# Altium PCB L4N-24VDimmer.PcbDoc (part 1 of 2)
Units mm, origin at the board's own origin, x right, y up, seen from the top; angles counter-clockwise.
Board outline 87 x 52 mm, 2 copper layers (Top, Bottom Layer), stack 1.32 mm thick; 77 components, 64 nets, 298 pads, 225 vias.
Unrouted connection lines stored in the file: 10.
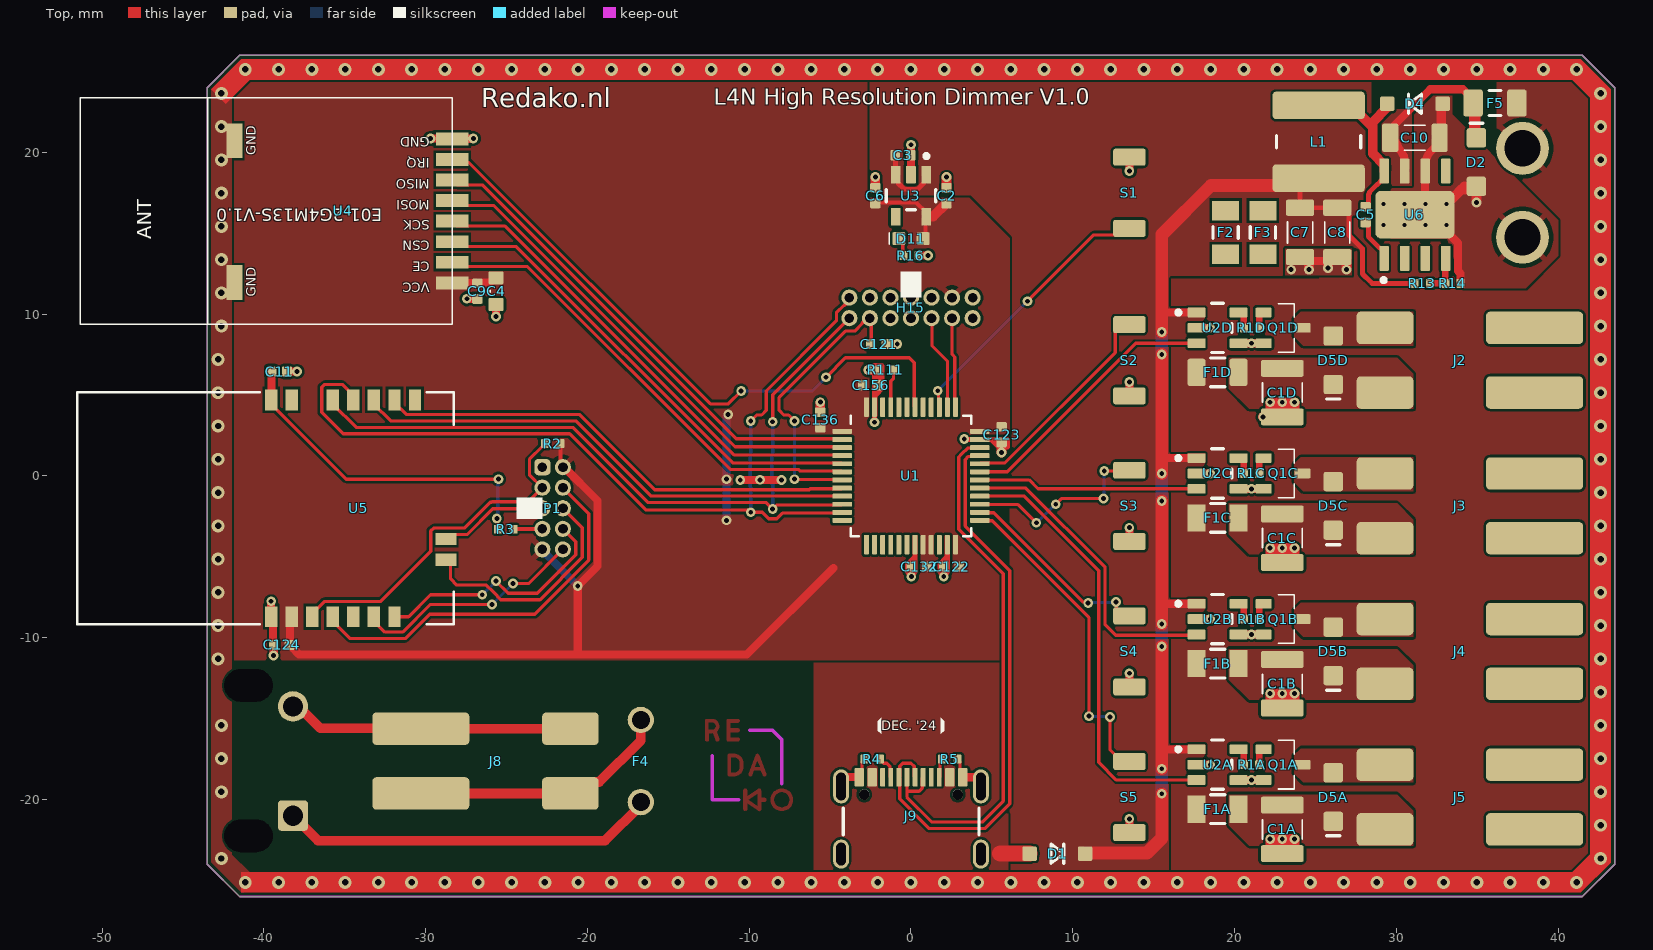
[diagram p0: Top view]
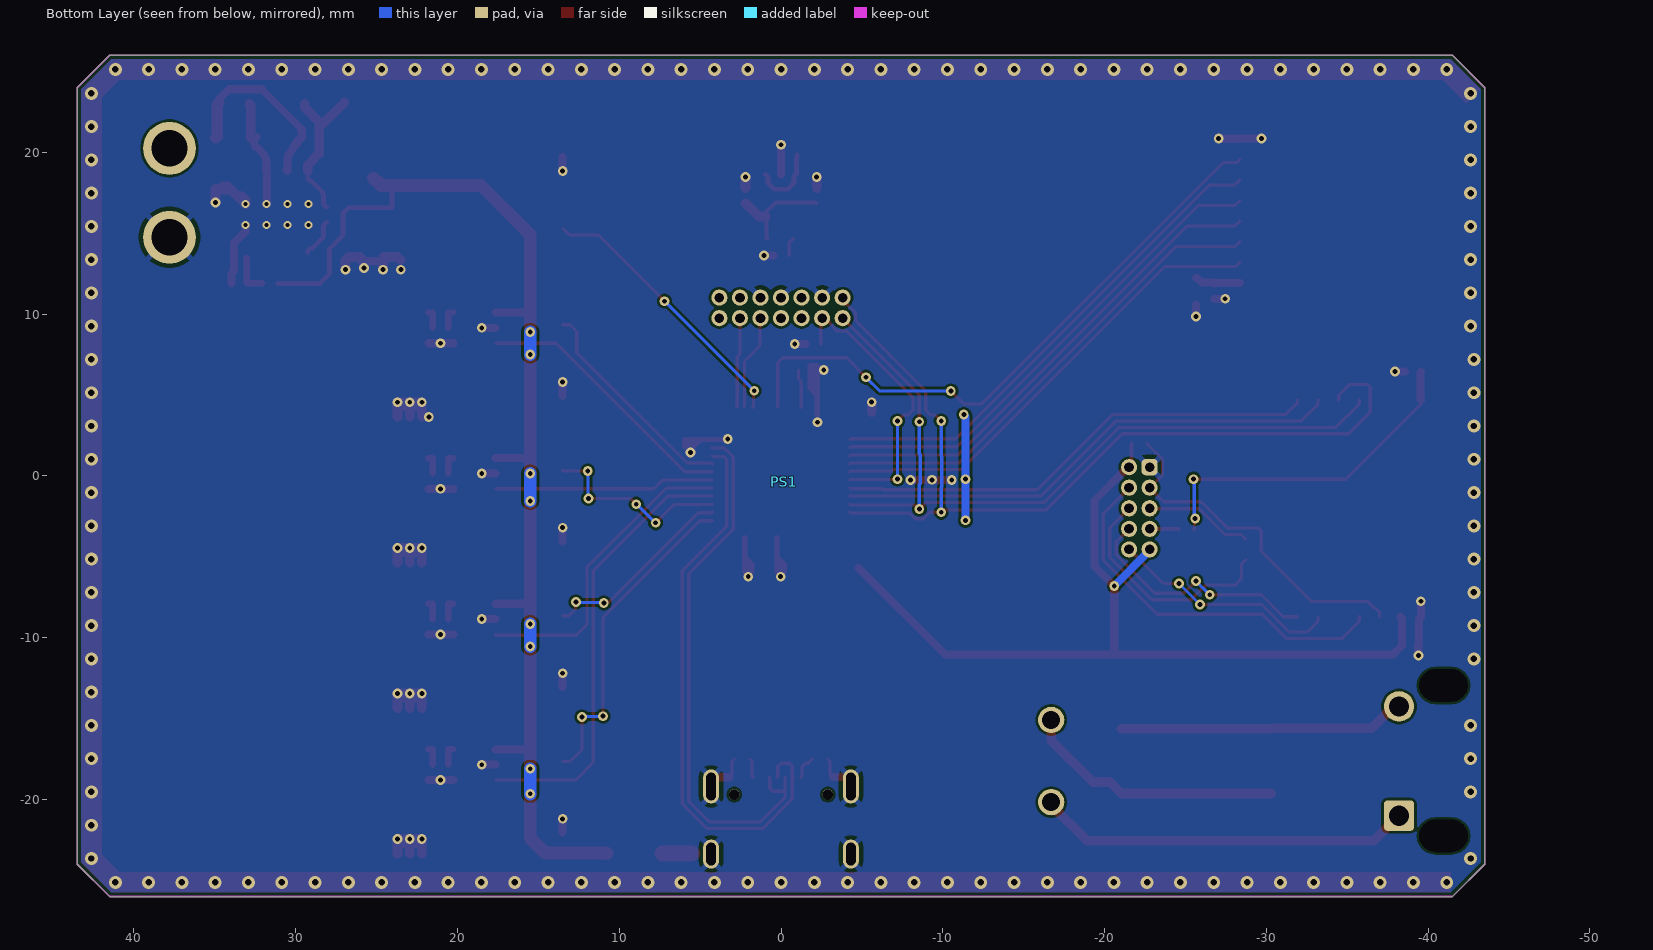
[diagram p1: Bottom Layer view, seen from below]
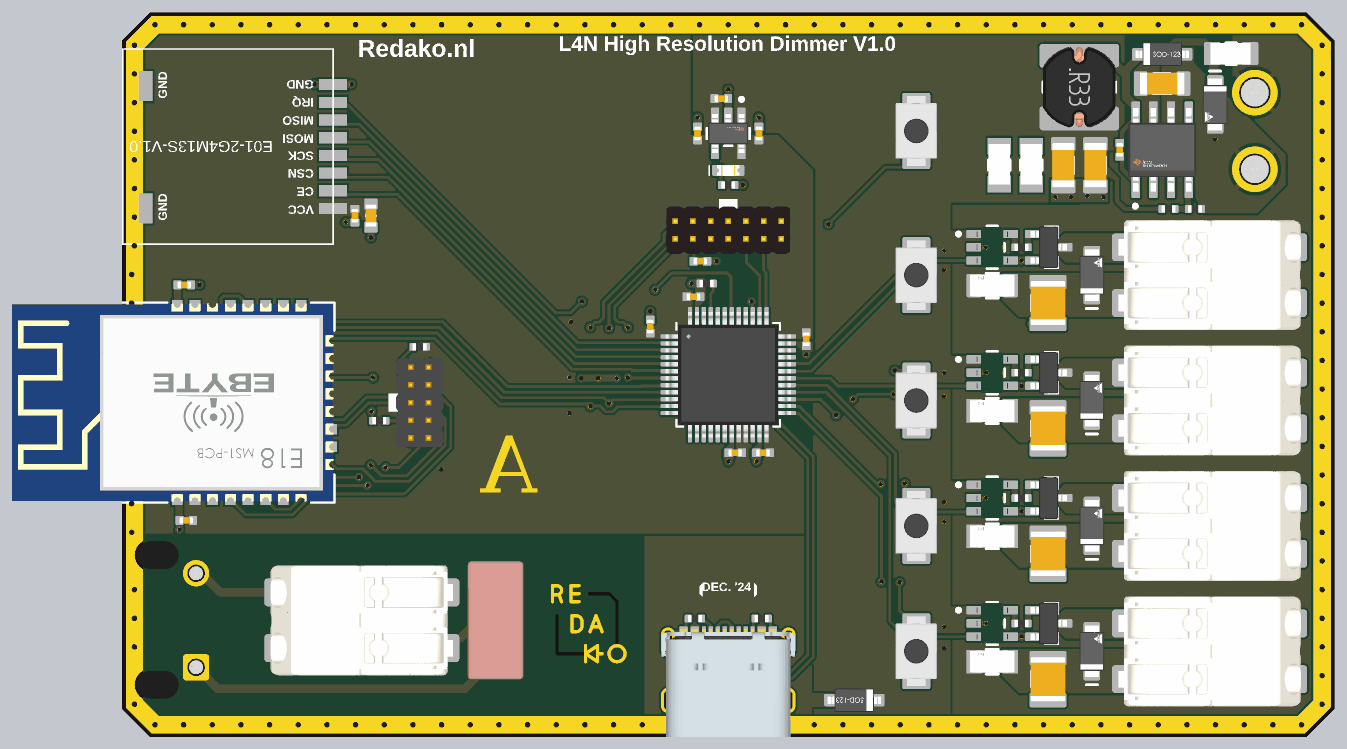
[diagram p3: 3D render of the assembled board from above, using the file's embedded part models]

## Layer stack, top to bottom
Top Solder: solder mask 0.01, Solder Resist, Dk 1
Top: signal copper 0.035
Dielectric 2: core 1.25, Core-009, Dk 1
Bottom Layer: signal copper 0.035
Board Layer Stack Bottom Solder: solder mask 0.01, Solder Resist, Dk 1

## Board outline
-43.5,-24 -41.5,-26 41.5,-26 43.5,-24 43.5,24 41.5,26 -41.5,26 -43.5,24

## Design rules (kind name [scope] priority, off if disabled: settings)
BoardOutlineClearance mdCopperDimension [All] p1: gap=0.25 ignorepadtopadclearanceinfootprint=FALSE
Clearance [All] p1: gap=0.15 ignorepadtopadclearanceinfootprint=FALSE
ComponentClearance [All] p1: gap=0 collisioncheckmode=3 verticalgap=0 showdistances=FALSE
HoleSize [All] p1: absolutevalues=TRUE maxlimit=2540 minlimit=0.25 maxpercent=80.000 minpercent=20.000
HoleToHoleClearance mdDrill [All] p1: gap=0.203 allowstackedmicrovias=TRUE
MinimumSolderMaskSliver [All] p1 off: minsoldermaskwidth=0.254
PasteMaskExpansion Expansion_SMDPaste_OFF [InPadClass('SMDPaste_OFF')] p1: expansion=0
PasteMaskExpansion mlMinCreamFrame [All] p2: expansion=0
PlaneClearance [All] p1: clearance=0.25
PolygonConnect PolygonConnect_1 [InComponent('J1')] p1: connectstyle=Relief reliefconductorwidth=0.35 reliefentries=4 polygonreliefangle="90 Angle" airgapwidth=0.254
PolygonConnect [All] p2: thpad.connectstyle=Relief thpad.reliefconductorwidth=0.35 thpad.reliefentries=4 thpad.polygonreliefangle="45 Angle" thpad.airgapwidth=0.254 smdpad.connectstyle=Direct smdpad.reliefconductorwidth=0.254 smdpad.reliefentries=4 smdpad.polygonreliefangle="90 Angle" smdpad.airgapwidth=0.254 via.connectstyle=Direct via.reliefconductorwidth=0.254 via.reliefentries=4 via.polygonreliefangle="90 Angle" via.airgapwidth=0.254
RoomDefinition "U_LED Driver3" [InComponentClass('U_LED Driver3')] p1: confinementstyle=ConfineIn formatcopy=TRUE lockcomponents=FALSE outline 28.2,-14.8 15.65,-14.8 15.65,-6.9 28.2,-6.9
RoomDefinition "U_LED Driver2" [InComponentClass('U_LED Driver2')] p2: confinementstyle=ConfineIn formatcopy=TRUE lockcomponents=FALSE outline 28.2,-5.8 15.65,-5.8 15.65,2.1 28.2,2.1
RoomDefinition "U_LED Driver4" [InComponentClass('U_LED Driver4')] p3: confinementstyle=ConfineIn formatcopy=TRUE lockcomponents=FALSE outline 28.2,-23.8 15.65,-23.8 15.65,-15.9 28.2,-15.9
RoomDefinition "U_LED Driver1" [InComponentClass('U_LED Driver1')] p4: confinementstyle=ConfineIn formatcopy=TRUE lockcomponents=FALSE outline 28.2,3.2 15.65,3.2 15.65,11.1 28.2,11.1
RoutingVias [All] p1: holewidth=0.3 width=0.6 viastyle="Through Hole" minholewidth=0.25 minwidth=0.6 maxholewidth=2.54 maxwidth=2.54
SilkToSilkClearance [All] p1: silktosilkclearance=0
SilkToSolderMaskClearance [IsPad] p1: minsilkscreentomaskgap=0 clearancetoexposedcopper=TRUE
SolderMaskExpansion [isVia] p1: expansion=0.102 istentingtop=TRUE
SolderMaskExpansion mlMinStopFrame [All] p2: expansion=0 istentingtop=FALSE
Width "Width_For_NetClass_analog signal" [InNetClass('analog signal')] p1: maxlimit=0.762 minlimit=0.191 preferedwidth=0.508
Width "Width_For_NetClass_digital signal" [InNetClass('digital signal')] p2: maxlimit=0.762 minlimit=0.191 preferedwidth=0.508 minimp=50.000000 maximp=50.000000 favimp=50.000000
Width Width_For_NetClass_power [InNetClass('power')] p3: maxlimit=0.61 minlimit=0.254 preferedwidth=0.3 minimp=50.000000 maximp=50.000000 favimp=50.000000
Width [All] p4: maxlimit=254 minlimit=0.125 preferedwidth=0.2 minimp=50.000000 maximp=50.000000 favimp=50.000000
22 further rules are at their usual default settings.

## Classes and differential pairs
component class "U_LED Driver1": C1A D5A F1A Q1A R1A U2A
channel class "LED Driver": "U_LED Driver1" "U_LED Driver2" "U_LED Driver3" "U_LED Driver4"
component class "U_LED Driver4": C1D D5D F1D Q1D R1D U2D
component class "U_LED Driver3": C1C D5C F1C Q1C R1C U2C
component class "U_LED Driver2": C1B D5B F1B Q1B R1B U2B
component class "U_Power Management": C2 C3 C5 C7 C8 C10 D2 D4 D11 F2 F3 F4 F5 L1 PS1 R13 R14 R16 U3 U6
component class U_STM32: C4 C6 C9 C11 C121 C122 C123 C124 C132 C136 C156 D1 H15 J9 P1 R2 R3 R4 R5 R111 S1 S2 S3 S4 S5 U1 U4 U5
component class L4N-24VDimmer: J2 J3 J4 J5 J8

## Components (designator, comment, footprint, x,y, rotation, side; value= is the part's Value field where it differs from the comment)
C1A "" CAPC3225X20N 22.95,-21.85 r90 top value=10uF (schematic designator C1)
C1B "" CAPC3225X20N 22.95,-12.85 r90 top value=10uF (schematic designator C1)
C1C "" CAPC3225X20N 22.95,-3.85 r90 top value=10uF (schematic designator C1)
C1D "" CAPC3225X20N 22.95,5.15 r90 top value=10uF (schematic designator C1)
C2 "" CAPC1005X05N 2.2,17.32 r270 top value=2.2uF
C3 "" CAPC1005X05N -0.5,19.82 r180 top value=2.2uF
C4 "" CAPC1608X08N -25.65,11.42 r270 top value=10uF
C5 "" CAPC1005X05N 28.1,16.15 r90 top value=10nF
C6 "" CAPC1005X05N -2.2,17.32 r270 top value=2.2uF
C7 "" CAPC3216X16N 24.05,15.05 r270 top value="47uF 10V"
C8 "" CAPC3216X16N 26.35,15.05 r270 top value="47uF 10V"
C9 "" CAPC1005X05N -26.8,11.42 r90 top value=2.2uF
C10 "" CAPC3216X16N 31.15,20.9 r180 top value="10uF 50V"
C11 "" CAPC1005X05N -39.05,6.45 r180 top value=1nF
C121 "" CAPC1005X05N -2,8.15 r180 top value=100nF
C122 "" CAPC1005X05N 2.5,-5.6 r0 top value=2.2uF
C123 "" CAPC1005X05N 5.6,2.55 r90 top value=2.2uF
C124 "" CAPC1005X05N -38.9,-10.45 r0 top value=2.2uF
C132 "" CAPC1005X05N 0.5,-5.6 r0 top value=2.2uF
C136 "" CAPC1005X05N -5.6,3.46 r270 top value=2.2uF
C156 "" CAPC1005X05N -2.5,5.6 r180 top value=2.2uF
D1 "" SOD123 9.05,-23.35 r180 top
D2 "" SOD-123FL 34.95,19.4 r90 top
D4 "" SOD-123 31.15,23 r0 top
D5A "" sod-123FL 26.1,-19.85 r270 top value=1.1V@1A (schematic designator D5)
D5B "" sod-123FL 26.1,-10.85 r270 top value=1.1V@1A (schematic designator D5)
D5C "" sod-123FL 26.1,-1.85 r270 top value=1.1V@1A (schematic designator D5)
D5D "" sod-123FL 26.1,7.15 r270 top value=1.1V@1A (schematic designator D5)
D11 "" LEDC1608X08N 0,14.67 r0 top value=White
F1A "" FP-0685T-IPC_C#1 18.95,-20.6 r0 top (schematic designator F1)
F1B "" FP-0685T-IPC_C#1 18.95,-11.6 r0 top (schematic designator F1)
F1C "" FP-0685T-IPC_C#1 18.95,-2.6 r0 top (schematic designator F1)
F1D "" FP-0685T-IPC_C#2 18.95,6.4 r0 top (schematic designator F1)
F2 "" FP-SF-1206S-IPC_B#1 19.45,15.05 r270 top
F3 "" FP-SF-1206S-IPC_B#1 21.75,15.05 r270 top
F4 "" FUS_LITTELFUSE_392_LTF -16.7,-15.085 r270 top value="1A 250V"
F5 "" FP-SF-1206S-IPC_B#2 36.1,23.05 r0 top
H15 "" "Header 2x7 [14] 1.27mm Male TH" 0,10.385 r0 top
J2 "" WAGO_2060-452/998-404 34.55,7.15 r180 top
J3 "" WAGO_2060-452/998-404 34.55,-1.85 r180 top
J4 "" WAGO_2060-452/998-404 34.55,-10.85 r180 top
J5 "" WAGO_2060-452/998-404 34.55,-19.85 r180 top
J8 "" WAGO_2060-452/998-404 -26.3,-17.625 r0 top
J9 "" USB4105-GF-A-Footprint-1 0,-21 r0 top
L1 "" SWPA6054A 25.2,20.65 r270 top
P1 "" 62201021121 -22.15,-2 r270 top
PS1 "" IRM-60-24 0,0 r0 bottom locked value=24V
Q1A "" SOT95P245X110-3N 23,-17.85 r0 top value="5.7A @ 10V" (schematic designator Q1)
Q1B "" SOT95P245X110-3N 23,-8.85 r0 top value="5.7A @ 10V" (schematic designator Q1)
Q1C "" SOT95P245X110-3N 23,0.15 r0 top value="5.7A @ 10V" (schematic designator Q1)
Q1D "" SOT95P245X110-3N 23,9.15 r0 top value="5.7A @ 10V" (schematic designator Q1)
R1A "" RESC1005X04N 21.05,-17.85 r0 top value=0Ω (schematic designator R1)
R1B "" RESC1005X04N 21.05,-8.85 r0 top value=0Ω (schematic designator R1)
R1C "" RESC1005X04N 21.05,0.15 r0 top value=0Ω (schematic designator R1)
R1D "" RESC1005X04N 21.05,9.15 r0 top value=0Ω (schematic designator R1)
R2 "" RESC1005X04N -22.15,2 r180 top value=10kΩ
R3 "" RESC1005X04N -25.05,-3.3 r180 top value=2.7kΩ
R4 "" RESC1005X04N -2.4,-17.5 r180 top value=5.1kΩ
R5 "" RESC1005X04N 2.4,-17.5 r0 top value=5.1kΩ
R13 "" RESC1005X04N 31.6,11.9 r0 top value=10kΩ
R14 "" RESC1005X04N 33.5,11.9 r0 top value=3.3kΩ
R16 "" RESC1005X04N 0,13.62 r0 top value=2.2kΩ
R111 "" RESC1005X04N -1.55,6.55 r180 top value=10kΩ
S1 "" "SWITCH - 4x3 SMD - 2 pin" 13.5,17.5 r270 top value="50mA, 12VDC"
S2 "" "SWITCH - 4x3 SMD - 2 pin" 13.5,7.15 r90 top value="50mA, 12VDC"
S3 "" "SWITCH - 4x3 SMD - 2 pin" 13.5,-1.85 r90 top value="50mA, 12VDC"
S4 "" "SWITCH - 4x3 SMD - 2 pin" 13.5,-10.85 r90 top value="50mA, 12VDC"
S5 "" "SWITCH - 4x3 SMD - 2 pin" 13.5,-19.85 r90 top value="50mA, 12VDC"
U1 "" LQFP48-7x7mm 0,0 r0 top
U2A "" FP-DBV0005A-MFG 18.95,-17.85 r0 top (schematic designator U2)
U2B "" FP-DBV0005A-MFG 18.95,-8.85 r0 top (schematic designator U2)
U2C "" FP-DBV0005A-MFG 18.95,0.15 r0 top (schematic designator U2)
U2D "" FP-DBV0005A-MFG 18.95,9.15 r0 top (schematic designator U2)
U3 "" FP-DBV0005A-MFG 0,17.32 r270 top
U4 "" E01-2G4M13S -28.359,16.38 r180 top
U5 "" E18-MS1-PCB_BYT -39.9,-2 r90 top
U6 "" FP-DDA0008J-MFG 31.15,16.15 r90 top

## Footprints (in the part's own frame and the unit in brackets; to place one, negate y for a bottom-side part, rotate by r counter-clockwise, add the part's x,y. Pads: shape width x height; smd on the part's side, far side on the other; paste and mask are expansions set on the pad)
62201021121 [mm] "Pin Header, pitch 1.27 mm, THT, Vertical, dual row, 10p"
  rrect50% 1x1 hole 0.6: 1(-2.54,-0.635)
  round 1 hole 0.6: 2(-2.54,0.635) 3(-1.27,-0.635) 4(-1.27,0.635) 5(0,-0.635) 6(0,0.635) 7(1.27,-0.635) 8(1.27,0.635) 9(2.54,-0.635) 10(2.54,0.635)
  body extent -3.17,-1.7 3.18,1.7, height 5.33
CAPC1005X05N [mm] "0402 Chip Capacitor, 2-Leads, Body 1.00x0.50mm, IPC Medium Density"
  rrect25% 0.6x0.64 smd: 1(-0.48,0) 2(0.48,0)
  body extent -0.5,-0.25 0.5,0.25, height 0.5
CAPC1608X08N [mm] "0603 Chip Capacitor, 2-Leads, Body 1.60x0.80mm, IPC Medium Density"
  rrect25% 0.8x0.95 smd: 1(-0.825,0) 2(0.825,0)
  silkscreen extent -0.05,-0.38 0.05,0.38, body extent -0.8,-0.4 0.8,0.4, height 0.8
CAPC3216X16N [mm] "Chip Capacitor, 2-Leads, Body 3.20x1.60mm, IPC Medium Density"
  rrect25% 1x1.75 smd: 1(-1.525,0) 2(1.525,0)
  silkscreen extent -0.65,-0.77 0.65,0.77, body extent -1.6,-0.8 1.6,0.8, height 1.6
CAPC3225X20N [mm] "Chip Capacitor, 2-Leads, Body 3.20x2.50mm, IPC Medium Density"
  rrect25% 1.05x2.65 smd: 1(-1.5,0) 2(1.5,0)
  silkscreen extent -0.6,-1.22 0.6,1.23, body extent -1.6,-1.25 1.6,1.25, height 2
E01-2G4M13S [mm] "23*14mm-S"
  rect 2x0.8 smd: 1(0,4.445) 2(0,3.175) 3(0,1.905) 4(0,0.635) 5(0,-0.635) 6(0,-1.905) 7(0,-3.175) 8(0,-4.445)
  rect 1x2.15 smd: 9(13.462,4.43) 10(13.462,-4.333)
  silkscreen extent 0,-7 23,7
E18-MS1-PCB_BYT [mil]
  rect 51x30 smd paste+0 mask+0: 1(-264,-13.78) 2(-264,-63.78) 3(-264,-113.78) 4(-264,-163.78) 5(-264,-213.78) 6(-264,-263.78) 7(-264,-313.78) 17(264,-363.78) 18(264,-313.78) 19(264,-263.78) 20(264,-213.78) 21(264,-163.78) 23(264,-63.78) 24(264,-13.78)
  rect 30x51 smd paste+0 mask+0: 10(-125,-439.5) 11(-75,-439.5)
  silkscreen extent -283,-458 282,458, body extent -280,-455 280,453, height 94
FP-0685T-IPC_C#1 [mm]
  rect 1.115x1.686 smd paste+0 mask+0: 1(-1.296,0) 2(1.296,0)
  silkscreen extent -0.44,-0.89 0.44,0.89, body extent -1.95,-0.99 1.95,0.99, height 0.25
FP-0685T-IPC_C#2 [mm]
  rrect25% 1.115x1.686 smd paste+0 mask+0: 1(-1.296,0) 2(1.296,0)
  silkscreen extent -0.44,-0.89 0.44,0.89, body extent -1.95,-0.99 1.95,0.99, height 0.25
FP-DBV0005A-MFG [mm]
  rrect17% 1.1x0.6 smd paste+0 mask+0: 1(-1.3,0.95) 2(-1.3,0) 3(-1.3,-0.95) 4(1.3,-0.95) 5(1.3,0.95)
  silkscreen extent -2.55,-1.53 0.87,1.52, body extent -1.95,-1.78 1.95,1.78, height 0.25
FP-DDA0008J-MFG [mm]
  rrect25% 1.55x0.6 smd paste+0 mask+0: 1(-2.7,1.905) 2(-2.7,0.635) 3(-2.7,-0.635) 4(-2.7,-1.905) 5(2.7,-1.905) 6(2.7,-0.635) 7(2.7,0.635) 8(2.7,1.905)
  rrect25% 2.95x4.9 smd paste-1000 mask-1000: 9(0,0)
  silkscreen extent -4.17,1.81 -3.93,2.05, body extent -3.57,-2.75 3.57,2.75, height 0.25
FP-SF-1206S-IPC_B#1 [mm]
  rect 1.207x1.662 smd paste+0 mask+0: 1(-1.352,0) 2(1.352,0)
  silkscreen extent -0.37,-0.77 0.37,0.77, body extent -2.21,-1.08 2.21,1.08, height 0.25
FP-SF-1206S-IPC_B#2 [mm]
  rrect25% 1.207x1.662 smd paste+0 mask+0: 1(-1.352,0) 2(1.352,0)
  silkscreen extent -0.37,-0.77 0.37,0.77, body extent -2.21,-1.08 2.21,1.08, height 0.25
FUS_LITTELFUSE_392_LTF [mil]
  round 64 hole 44 paste-32 mask+0: 1(0,0) 2(200,0)
  body extent -67,-79 267,79, height 315
"Header 2x7 [14] 1.27mm Male TH" [mm] "STDC14 STLINKV3-MINIE"
  round 1 hole 0.6: 1(3.81,0.635) 2(3.81,-0.635) 3(2.54,0.635) 4(2.54,-0.635) 5(1.27,0.635) 6(1.27,-0.635) 7(0,0.635) 8(0,-0.635) 9(-1.27,0.635) 10(-1.27,-0.635) 11(-2.54,0.635) 12(-2.54,-0.635) 13(-3.81,0.635) 14(-3.81,-0.635)
  body extent -4.44,-1.7 4.44,1.7, height 5.31
IRM-60-24 [mm]
  round 3.27 hole 2.254: +V(37.8,-20.25) -V(37.8,-14.75)
  rrect25% 1.881x1.881 hole 1.254: AC/L(-38.2,21)
  round 1.881 hole 1.254: AC/N(-38.2,14.25)
  body extent -43.5,-26 43.5,26, height 31.01
LEDC1608X08N [mm] "Chip Diode, 2-Leads, Body 1.60x0.80mm, IPC Medium Density"
  rrect25% 0.8x0.8 smd: 1(-0.75,0) 2(0.75,0)
  silkscreen extent -1.35,-0.35 -1.35,0.35, body extent -1.25,-0.55 1.25,0.55, height 0.25
LQFP48-7x7mm [mm]
  rrect25% 1.194x0.305 smd paste+0 mask+0: 1(-4.25,2.75) 2(-4.25,2.25) 3(-4.25,1.75) 4(-4.25,1.25) 5(-4.25,0.75) 6(-4.25,0.25) 7(-4.25,-0.25) 8(-4.25,-0.75) 9(-4.25,-1.25) 10(-4.25,-1.75) 11(-4.25,-2.25) 12(-4.25,-2.75) 25(4.25,-2.75) 26(4.25,-2.25) 27(4.25,-1.75) 28(4.25,-1.25) 29(4.25,-0.75) 30(4.25,-0.25) 31(4.25,0.25) 32(4.25,0.75) 33(4.25,1.25) 34(4.25,1.75) 35(4.25,2.25) 36(4.25,2.75)
  rrect25% 0.305x1.194 smd paste+0 mask+0: 13(-2.75,-4.25) 14(-2.25,-4.25) 15(-1.75,-4.25) 16(-1.25,-4.25) 17(-0.75,-4.25) 18(-0.25,-4.25) 19(0.25,-4.25) 20(0.75,-4.25) 21(1.25,-4.25) 22(1.75,-4.25) 23(2.25,-4.25) 24(2.75,-4.25) 37(2.75,4.25) 38(2.25,4.25) 39(1.75,4.25) 40(1.25,4.25) 41(0.75,4.25) 42(0.25,4.25) 43(-0.25,4.25) 44(-0.75,4.25) 45(-1.25,4.25) 46(-1.75,4.25) 47(-2.25,4.25) 48(-2.75,4.25)
  silkscreen extent -3.72,-3.72 3.72,3.72, body extent -4.5,-4.5 4.5,4.5, height 1.6
RESC1005X04N [mm] "0402 Chip Resistor, 2-Leads, Body 1.00x0.50mm, IPC Medium Density"
  rrect25% 0.5x0.55 smd: 1(-0.475,0) 2(0.475,0)
  body extent -0.5,-0.25 0.5,0.25, height 0.35
SOD123 [mm] "1206"
  rrect25% 0.9x0.9 smd: 1(1.714,0) 2(-1.714,0)
  silkscreen extent -0.4,-0.6 0.4,0.6, body extent -1.92,-0.83 1.93,0.87, height 1.42
SOD-123 [mm] "1206"
  rrect25% 0.9x0.9 smd: A(1.714,0) K(-1.714,0)
  silkscreen extent -0.4,-0.6 0.4,0.6, body extent -1.92,-0.83 1.93,0.87, height 1.42
SOD-123FL [mm]
  rrect25% 1.2x1.2 smd: 1(-1.5,0) 2(1.5,0)
  silkscreen extent 2.4,-0.4 2.4,0.4, body extent -2.2,-1.05 2.2,1.05, height 0.25
sod-123FL [mm]
  rrect25% 1.2x1.2 smd: 1(-1.5,0) 2(1.5,0)
  silkscreen extent 2.4,-0.4 2.4,0.4, body extent -2.2,-1.05 2.2,1.05, height 0.25
SOT95P245X110-3N [mm] "SOT23, 3-Leads, Body 2.90x2.45mm, Pitch 0.95mm, IPC Medium Density"
  rrect25% 1x0.6 smd: 1(-1.2,0.95) 2(-1.2,-0.95) 3(1.2,0)
  silkscreen extent -0.3,-1.5 0.7,1.5, body extent -1.3,-1.5 1.3,1.5, height 1.1
"SWITCH - 4x3 SMD - 2 pin" [mm] "TS-1088R-02026"
  rrect25% 1.05x2 smd: 1(-2.2,0) 2(2.2,0)
  body extent -2.5,-1.5 2.5,1.5, height 1.93
SWPA6054A [mm] "SMD Inductor, 2-Leads, Body 6 x 6 mm"
  rrect25% 1.7x5.7 smd: 1(-2.25,0) 2(2.25,0)
  silkscreen extent -0.38,-2.6 0.38,2.6, body extent -2.89,-2.6 2.89,2.6, height 4.49
USB4105-GF-A-Footprint-1 [mm]
  rrect25% 0.6x1.14 smd: A1/B12(-3.2,2.375) A4/B9(-2.4,2.375) A9/B4(2.4,2.375) A12/B1(3.2,2.375)
  rrect25% 0.3x1.14 smd: A5(-1.25,2.375) A6(-0.25,2.375) A7(0.25,2.375) A8(1.25,2.375) B5(1.75,2.375) B6(0.75,2.375) B7(-0.75,2.375) B8(-1.75,2.375)
  round 0.65 hole 0.65 unplated: MH1(-2.89,1.305) MH2(2.89,1.305)
  oval 1x1.8 hole 0.6 slot 1.4 at 90 deg: Shell(-4.32,-2.375) Shell(4.32,-2.375)
  oval 1x2.1 hole 0.6 slot 1.7 at 90 deg: Shell(-4.32,1.805) Shell(4.32,1.805)
  silkscreen extent -4.18,-1.17 4.2,0.46, body extent -4.79,-4.99 4.79,2.72, height 3.33
WAGO_2060-452/998-404 [mm]
  rrect25% 6x2 smd: 1(-4,2) 2(-4,-2)
  rrect25% 3.5x2 smd: 1(5.25,2) 2(5.25,-2)
  body extent -6.55,-3.95 6.55,3.95, height 4.51

## Part data
C1A C1B C1C C1D: library part SMD_Cap, Package=1210, Rating=50V
C2 C3 C5 C6 C9 C11 C122 C123 C124 C132 C136 C156: library part SMD_Cap, Package=0402
C4: library part SMD_Cap, Package=0603
C7 C8: library part SMD_Cap, Package=1206, Rating=10V
C10: library part CMP-2000-06048-1, Package=1206, Rating=50V
C121: library part SMD_Cap, JLC Part Type=Basic, JLCPCB Part #=C307331, Manufacturer=Samsung, MPN=CL05B104KB54PNC, Package=0402, Rating=50V, Tolerance=±10%, Type=X7R
D1 D4: library part f813f71cba58e380607f5dd3caf9714, "BZT52C20-7-F BZT52C20 Series 20 V 10 mA 500 mW Surface Mount Zener Diode - SOD-123", JLCPCB Part #=C8598, MPN="B5819W SL", Package=SOD-123
D2: library part d386f69c7d770905792c16b93fa31a7, "SMF24A-E3-08 Trans Voltage Suppressor Diode, 1000W, 24V V(RWM), Unidirectional, 1 Element, Silicon, DO-219AB", MPN=SMF24A
D5A D5B D5C D5D: library part d386f69c7d770905792c16b93fa31a7, "1A Independent Type 1kV 1.1V@1A SOD-123FL Diodes", MPN=SM4007PL, Rating="1A 1kV"
D11: library part CMP-22017-000005-1, "LED", Package=0603
F1A F1B F1C F1D: library part CMP-16042-000018-1, "FUSE 3.0A 63VAC/DC SLOW 1206", MPN=0468003.NRHF
F2 F3 F5: library part CMP-07399-000003-1, "FUSE BOARD MOUNT 1A 63VDC 1206", MPN=12T.10000063AG12S1B02, Package=1206
F4: library part FUSE-2, JLC Part Type=Extended, JLCPCB Part #=C99566, Manufacturer=Littelfuse, MPN=39211000000
H15: library part STLINK-V3MINIE_14P_TH, MPN=DW127R-22-14-23
J2 J3 J4 J5 J8: library part JST_Connector_2Pin, MPN=2060-452/998-404
J9: library part "USB C USB4105-GF-A-120", "USB C USB4105-GF-A-120", JLCPCB Part #=C136423, Manufacturer=Sofng, MPN=MC-311D, Package=SMD
L1: library part SWPA6045S101MT, "100uH ±20% 800mA 433mΩ SMD,6.0x6.0x4.5mm Power Inductors RoHS", JLC Part Type=Extended, JLCPCB Part #=C60633, Package=SMD,6.0x6.0x4.5mm, MPN=SWPA6045S101MT
P1: library part CMP-1502-00948-3, MPN=1271WV-2x5P
PS1: library part IRM-60-24, "Enclosed AC DC Converters 1 Uitgang 24V 2.5A 85 ~ 264 VAC Input", Package="DIP-4 Mean Well", MPN=IRM-60-24
Q1A Q1B Q1C Q1D: library part AO3400A, "N-Channel 30V 5.7A 1.5V @ 250uA 26.5mΩ @ 5.7A,10V 1.4W SOT-23-3L MOSFET RoHS", JLC Part Type=Basic, JLCPCB Part #=C20917, Manufacturer="Alpha & Omega Semicon", Package=SOT-23-3L, MPN=AO3400A
R1A R1B R1C R1D R13 R14 R16: library part Res, Package=0402
R2 R111: library part Res, JLC Part Type=Basic, JLCPCB Part #=C25744, Manufacturer=Uniroyal, MPN=0402WGF1002TCE, Package=0402, Rating=50V, Tolerance=±1%
R3 R4 R5: library part Res, Manufacturer=Uniroyal, Package=0402, Rating=50V, Tolerance=±1%
S1 S2 S3 S4 S5: library part TS-1088R-02026, "SPST 50MA @ 12VDC VERTICAL ROUND BUTTON 260GF SMD,3X4X2.0MM TACTILE SWITCHES ROHS", JLC Part Type=Extended, JLCPCB Part #=C455280, Manufacturer=XUNPU, Package=SMD,3x4x2.0mm, MPN=TS-1088R-02026
U1: library part STM32G474CBT6TR, "No Description Available", MPN=STM32G474CBT6TR
U2A U2B U2C U2D: library part CMP-04912-000015-1, "IC GATE DVR LOW SIDE 1CH SOT23-5", Manufacturer="Texas Instruments", MPN=UCC27517DBVR, Package=DBV0005A
U3: library part CMP-04917-000300-1, "IC REG LINEAR 3.3V 300MA SOT23-5", MPN=TPS7A2033PDBVR
U4: library part E01-ML01SP4, MPN=E01-2G4M13S
U5: library part E18-MS1-PCB, "No Description Available", MPN=E18-MS1-PCB
U6: library part CMP-2000-04960-2, "IC REG BUCK ADJUSTABLE 3A 8SOPWR", JLCPCB Part #=C9864, Manufacturer="Texas Instruments", MPN=TPS5430DDAR, Package=LSOP-8

## Free pads (board coordinates)
  oval 0x1 hole 2 slot 3 at 0 deg unplated: 20(-40.95,-22.25) 20(-40.95,-12.95)

## Via types
v1: diameter 0.8, hole 0.4, Top to Bottom Layer, tented both sides, 128 vias
v2: diameter 0.6, hole 0.3, Top to Bottom Layer, tented both sides, 89 vias
v3: diameter 0.5, hole 0.25, Top to Bottom Layer, tented both sides, 8 vias

## Nets (pads, with @x,y where several pads share a name; then routed paths per layer and width w, separated by ;. In a path a pad name is that pad's centre, name@x,y a point inside that pad or via, vN(x,y) a via of type N, cw(c..) or ccw(c..) an arc to the next point about the centre after c; other vN are vias at no path point)
3.3V: C2.2 C4.1 C6.2 C9.2 C122.2 C123.2 C124.2 C132.2 C136.2 C156.2 D11.2 H15.3 P1.2 P1.9 R2.1 U1.1 U1.20 U1.21 U1.24 U1.36 U1.48 U3.5 U4.1 U5.2 | length 71.5
  Top w0.25: R2.1@-21.675,2 -21.675,1.35 -21.659,1.334 -21.659,0.684 P1.2@-21.515,0.54 ; C6.2@-2.2,16.84 -2.145,16.895 0.325,16.895 0.95,16.27 U3.5@0.95,16.034 ; D11.2@0.85,14.67 0.9,14.72 0.9,15.984 U3.5@0.95,16.034 ; U3.5@0.95,16.02 U3.5@0.95,16.034
  Top w0.5: C124.2@-38.42,-10.45 -38.383,-10.413 -38.383,-8.809 U5.2@-38.28,-8.706 ; C124.2@-38.28,-10.59 -37.82,-11.05 -20.6,-11.05 ; U4.1@-28.359,11.935 -28.342,11.917 -26.817,11.917 C9.2@-26.8,11.9 -26.75,11.95 -26.02,11.95 -25.725,12.245 C4.1@-25.65,12.245 ; P1.2@-21.515,0.54 -21.441,0.54 -19.365,-1.536 -19.365,-5.565 v2(-20.6,-6.8) -20.6,-10.95 ; -20.65,-11 -20.6,-11.05 ; -4.8,-5.7 -10.15,-11.05 -20.6,-11.05
  Top w0.6: U3.5@0.95,16.034 1.374,16.034 2.18,16.84 C2.2@2.2,16.84
  Bottom Layer w0.5: P1.9@-22.785,-4.54 -22.785,-4.614 -20.6,-6.799 v2(-20.6,-6.8) ; v2(-11.4,-2.75) -11.4,3.673 -11.3,3.773 v2(-11.3,3.8)
  other v2: -11.4,-0.2
5V: C3.2 C7.1 C8.1 D1.2 L1.2 R13.1 U2A.1 U2B.1 U2C.1 U2D.1 U3.1 U3.3 | length 79.5
  Top w0.3: C3.2@-1,19.67 -0.985,19.67 -0.965,19.65 -0.965,18.635 U3.3@-0.95,18.62 ; C3.2@-1,19.86 -1,19.82 C3.2@-0.98,19.82 ; U3.3@-0.9,18.62 -0.8,18.52 -0.8,18.105 -0.415,17.72 0.415,17.72 0.8,18.105 0.8,18.47 U3.1@0.95,18.62 ; L1.2@24.295,17.95 24.15,17.805 24.05,17.705 C7.1@24.05,16.575 C8.1@26.35,16.575 26.725,16.575 27.075,16.225 27.075,14.875 27.9,14.05 27.9,12.5 28.5,11.9 R13.1@31.125,11.9 ; L1.2@24.395,18.05 24.745,18.4 L1.2@25.2,18.4
  Top w0.5: 15.5,-16.9 U2A.1@17.65,-16.9 ; 15.5,-7.9 U2B.1@17.65,-7.9 ; 15.5,1.1 U2C.1@17.65,1.1 ; 15.5,10.1 U2D.1@17.65,10.1
  Top w0.8: D1.2@10.764,-23.35 10.814,-23.3 14.6,-23.3 15.5,-22.4 v2(15.5,-19.65) ; v2(15.5,-18.1) v2(15.5,-10.55) ; v2(15.5,-9.15) v2(15.5,-1.55) ; v2(15.5,0.15) 15.5,1.1 v2(15.5,7.5) ; v2(15.5,8.9) 15.5,10.1 15.5,14.908 18.542,17.95 24.295,17.95 24.75,17.95 24.973,18.173 L1.2@25.2,18.4
  Bottom Layer w0.8: v2(15.5,-19.65) v2(15.5,-18.1) ; v2(15.5,-10.55) v2(15.5,-9.15) ; v2(15.5,-1.55) v2(15.5,0.15) ; v2(15.5,7.5) v2(15.5,8.9)
24V: F1A.1 F1B.1 F1C.1 F1D.1 F5.2 PS1.+V
BUT0: S1.2 U1.39 | length 17.1
  Top w0.2: v2(1.657,5.26) 1.703,5.214 1.703,4.297 U1.39@1.75,4.25 ; v2(7.2,10.8) 11.294,14.894 13.094,14.894 S1.2@13.5,15.3
  Bottom Layer w0.2: v2(1.657,5.26) v2(1.657,5.26) 7.198,10.8 v2(7.2,10.8)
BUT1: S2.2 U1.32 | length 13.6
  Top w0.2: U1.32@4.25,0.75 4.298,0.798 5.796,0.798 12.619,7.621 12.619,8.927 13.042,9.35 S2.2@13.5,9.35
BUT2: S3.2 U1.27 | length 12
  Top w0.2: U1.27@4.25,-1.75 4.273,-1.773 6.623,-1.773 v2(7.75,-2.9) ; v2(8.95,-1.75) 9.3,-1.4 v2(11.9,-1.4) ; v2(11.95,0.3) 13.45,0.3 S3.2@13.5,0.35
  Bottom Layer w0.2: v2(7.75,-2.9) 7.775,-2.9 8.925,-1.75 v2(8.95,-1.75) ; v2(11.9,-1.4) 11.925,-1.375 11.925,0.275 v2(11.95,0.3)
BUT3: S4.2 U1.26 | length 12.2
  Top w0.2: U1.26@4.25,-2.25 4.273,-2.273 5.123,-2.273 10.65,-7.8 10.9,-7.8 v2(10.95,-7.85) ; v2(12.667,-7.799) 12.699,-7.831 12.699,-8.227 13.122,-8.65 S4.2@13.5,-8.65
  Bottom Layer w0.2: v2(10.95,-7.85) 10.975,-7.825 12.641,-7.825 v2(12.667,-7.799)
BUT4: S5.2 U1.25 | length 20.2
  Top w0.2: U1.25@4.25,-2.75 4.277,-2.777 5.027,-2.777 11,-8.75 v2(11,-14.85) ; v2(12.3,-14.9) 12.3,-16.922 13.028,-17.65 S5.2@13.5,-17.65
  Bottom Layer w0.2: v2(11,-14.85) 11.025,-14.875 12.275,-14.875 v2(12.3,-14.9)
CC_CSN: P1.5 U5.11 | length 6.7
  Top w0.2: U5.11@-28.737,-3.905 -28.456,-3.624 -27.443,-3.624 -25.849,-2.03 -22.815,-2.03 P1.5@-22.785,-2
CC_CT: U1.9 U5.19 | length 31.6
  Top w0.2: U5.19@-33.2,4.706 -33.2,4.439 -32.161,3.4 -20.716,3.4 -16.066,-1.25 U1.9@-4.25,-1.25
CC_DC: P1.3 R2.2 U5.3 | length 21.9
  Top w0.2: U5.3@-37.001,-8.714 -37.001,-8.43 -36.729,-8.158 -36.645,-8.158 -36.245,-7.758 -32.773,-7.758 -29.684,-4.67 -29.684,-3.4 -29.509,-3.224 -27.608,-3.224 -26.014,-1.63 -25.93,-1.63 -25.9,-1.6 -23.655,-1.6 P1.3@-22.785,-0.73 ; P1.3@-22.806,-0.717 -23.585,0.062 -23.585,1.018 -22.778,1.825 -22.775,1.825 -22.625,1.975 R2.2@-22.625,2
CC_DD: P1.4 U5.4 | length 23.7
  Top w0.2: U5.4@-35.74,-8.706 -35.74,-8.972 -34.659,-10.053 -31.259,-10.053 -29.756,-8.55 -23.262,-8.55 -19.915,-5.203 -19.915,-2.33 P1.4@-21.515,-0.73
CC_MISO: P1.10 U5.6 | length 14.4
  Top w0.2: U5.6@-33.2,-8.706 -33.2,-8.972 -32.519,-9.653 -31.425,-9.653 -29.721,-7.95 v2(-25.9,-7.95) ; v2(-24.6,-6.65) -23.625,-6.65 P1.10@-21.515,-4.54
  Bottom Layer w0.2: v2(-25.9,-7.95) v2(-24.6,-6.65)
CC_MOSI: P1.8 U5.7 | length 15.4
  Top w0.2: U5.7@-31.93,-8.706 -31.056,-8.706 -29.7,-7.35 v2(-26.5,-7.35) ; v2(-25.65,-6.5) -24.9,-7.25 -23.094,-7.25 -20.715,-4.871 -20.715,-4.07 P1.8@-21.515,-3.27
  Bottom Layer w0.2: v2(-26.5,-7.35) v2(-25.65,-6.5)
CC_RST: C11.2 R3.2 U5.24 | length 21.1
  Top w0.2: U5.24@-39.55,4.439 -34.911,-0.2 v2(-25.5,-0.2) ; R3.2@-25.562,-3.263 v2@-25.562,-2.668
  Top w0.25: U5.24@-39.55,4.439 U5.24@-39.55,4.706 ; v2(-25.6,-2.63) v2@-25.562,-2.668 ; R3.2@-25.562,-3.263 R3.2@-25.525,-3.3
  Top w0.5: U5.24@-39.55,4.706 -39.54,4.716 -39.54,6.42 C11.2@-39.55,6.43
  Bottom Layer w0.2: v2@-25.55,-2.58 -25.55,-0.25 v2(-25.5,-0.2)
  Bottom Layer w0.25: v2(-25.6,-2.63) v2@-25.55,-2.58
CC_RT: U1.8 U5.18 | length 30.1
  Top w0.2: U5.18@-31.93,4.706 -31.93,4.523 -31.207,3.8 -20.5,3.8 -15.85,-0.85 -6.274,-0.85 -6.222,-0.798 -4.298,-0.798 U1.8@-4.25,-0.75
CC_RX: H15.14 U1.10 U5.21 | length 48.4
  Top w0.2: U5.21@-35.74,4.706 -35.74,4.439 -34.301,3 -20.9,3 -16.25,-1.65 -8.95,-1.65 v2(-8.55,-2.05) -8.298,-1.798 -4.298,-1.798 U1.10@-4.25,-1.75 ; v2(-8.55,3.35) -8.55,5.016 -4.216,9.35 -4.21,9.35 H15.14@-3.81,9.75
  Bottom Layer w0.2: v2(-8.55,-2.05) -8.55,-0.549 -8.6,-0.499 -8.6,1.308 -8.55,1.358 v2(-8.55,3.35)
CC_SCK: P1.6 U5.10 | length 14.6
  Top w0.2: U5.10@-28.737,-5.175 -28.456,-5.456 -28.456,-6.369 -28.075,-6.75 -26.251,-6.75 -25.801,-7.2 -25.351,-7.65 -22.928,-7.65 -20.315,-5.037 -20.315,-3.2 P1.6@-21.515,-2
CC_TX: H15.13 U1.11 U5.20 | length 55.2
  Top w0.2: U5.20@-34.47,4.706 -34.47,4.972 -35.151,5.653 -36.245,5.653 -36.421,5.478 -36.421,3.934 -35.087,2.6 -21.1,2.6 -16.4,-2.1 -10.158,-2.1 -10.008,-2.25 -9.199,-2.25 -8.799,-2.65 -8.301,-2.65 -7.949,-2.298 -4.298,-2.298 U1.11@-4.25,-2.25 ; v2(-9.9,3.4) -9.537,3.763 -9.237,3.763 -8.95,4.05 -8.95,5.25 -4.61,9.59 -4.61,10.081 -4.141,10.55 -4.106,10.55 -3.81,10.846 H15.13@-3.81,11.02
  Bottom Layer w0.2: v2(-9.9,-2.25) -9.9,-0.731 -9.938,-0.692 -9.938,1.193 -9.9,1.231 v2(-9.9,3.4)